# Altium PCB EMv2MainBoard.PcbDoc
Units mm, origin at the board's own origin, x right, y up, seen from the top; angles counter-clockwise.
Board outline 97.79 x 64.01 mm, 2 copper layers (Top Layer, Bottom Layer); 96 components, 87 nets, 487 pads, 95 vias.
Unrouted connection lines stored in the file: 2.
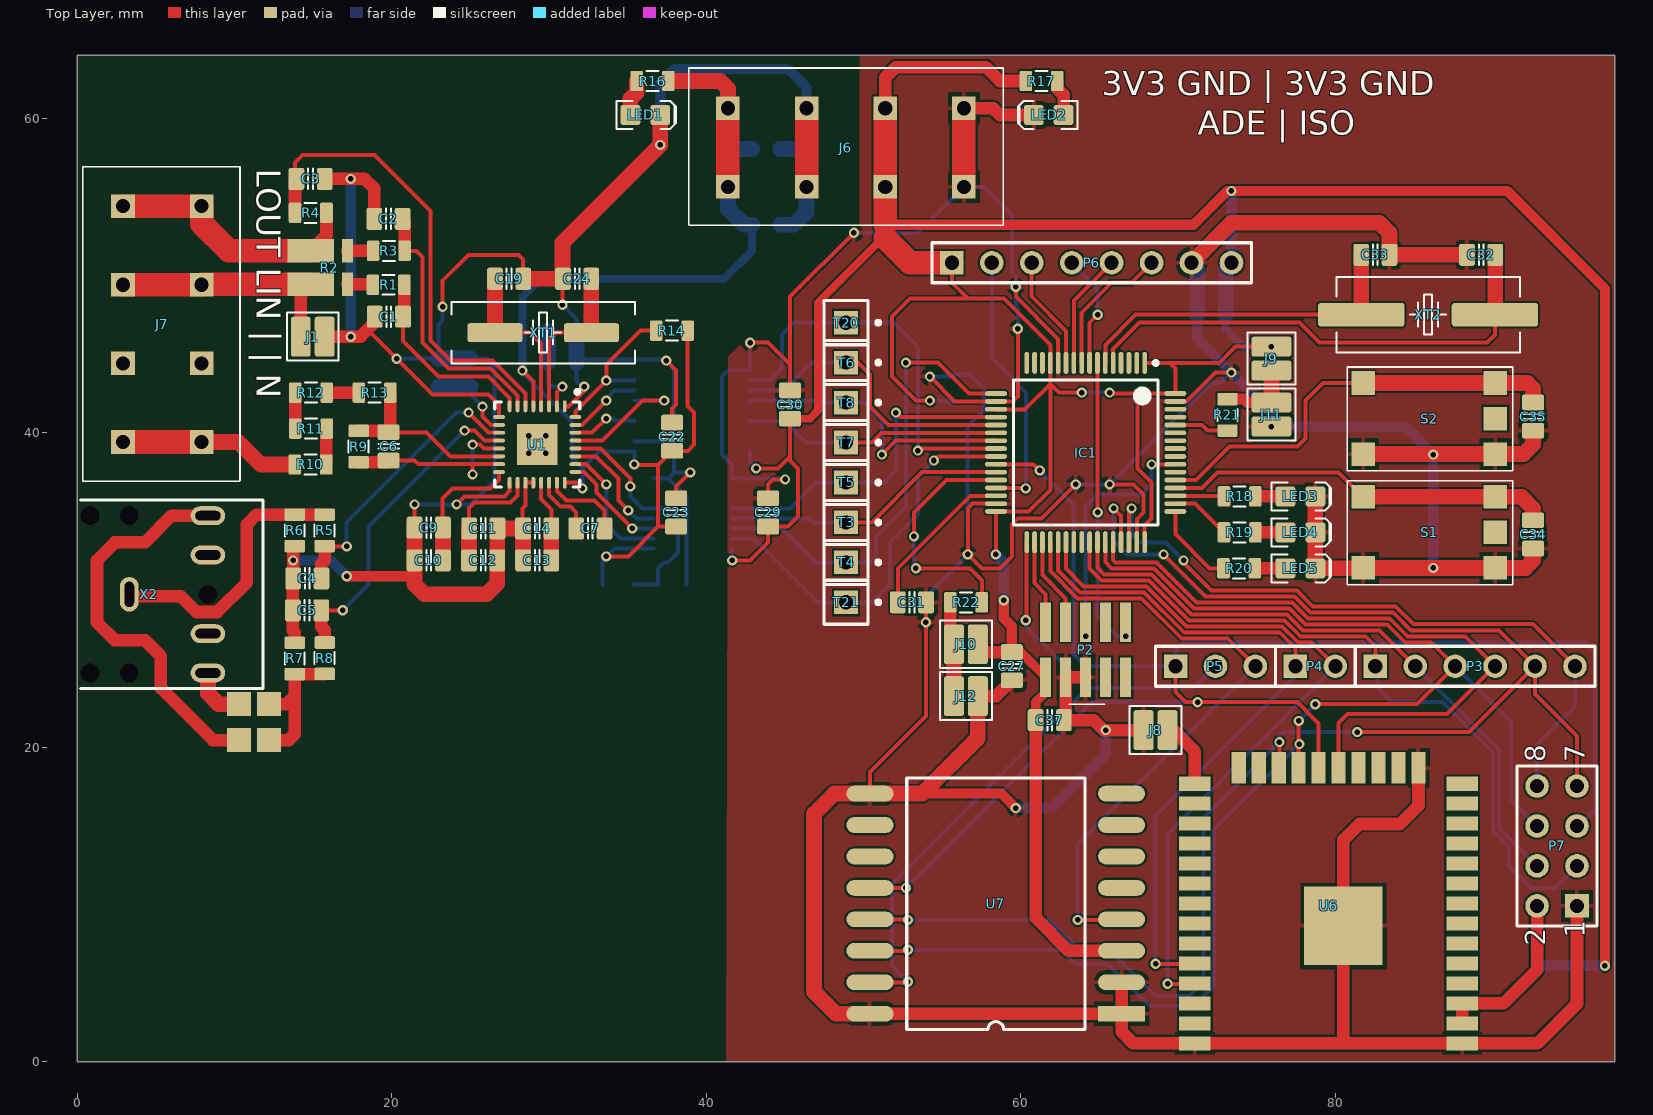
[diagram p0: Top Layer view]
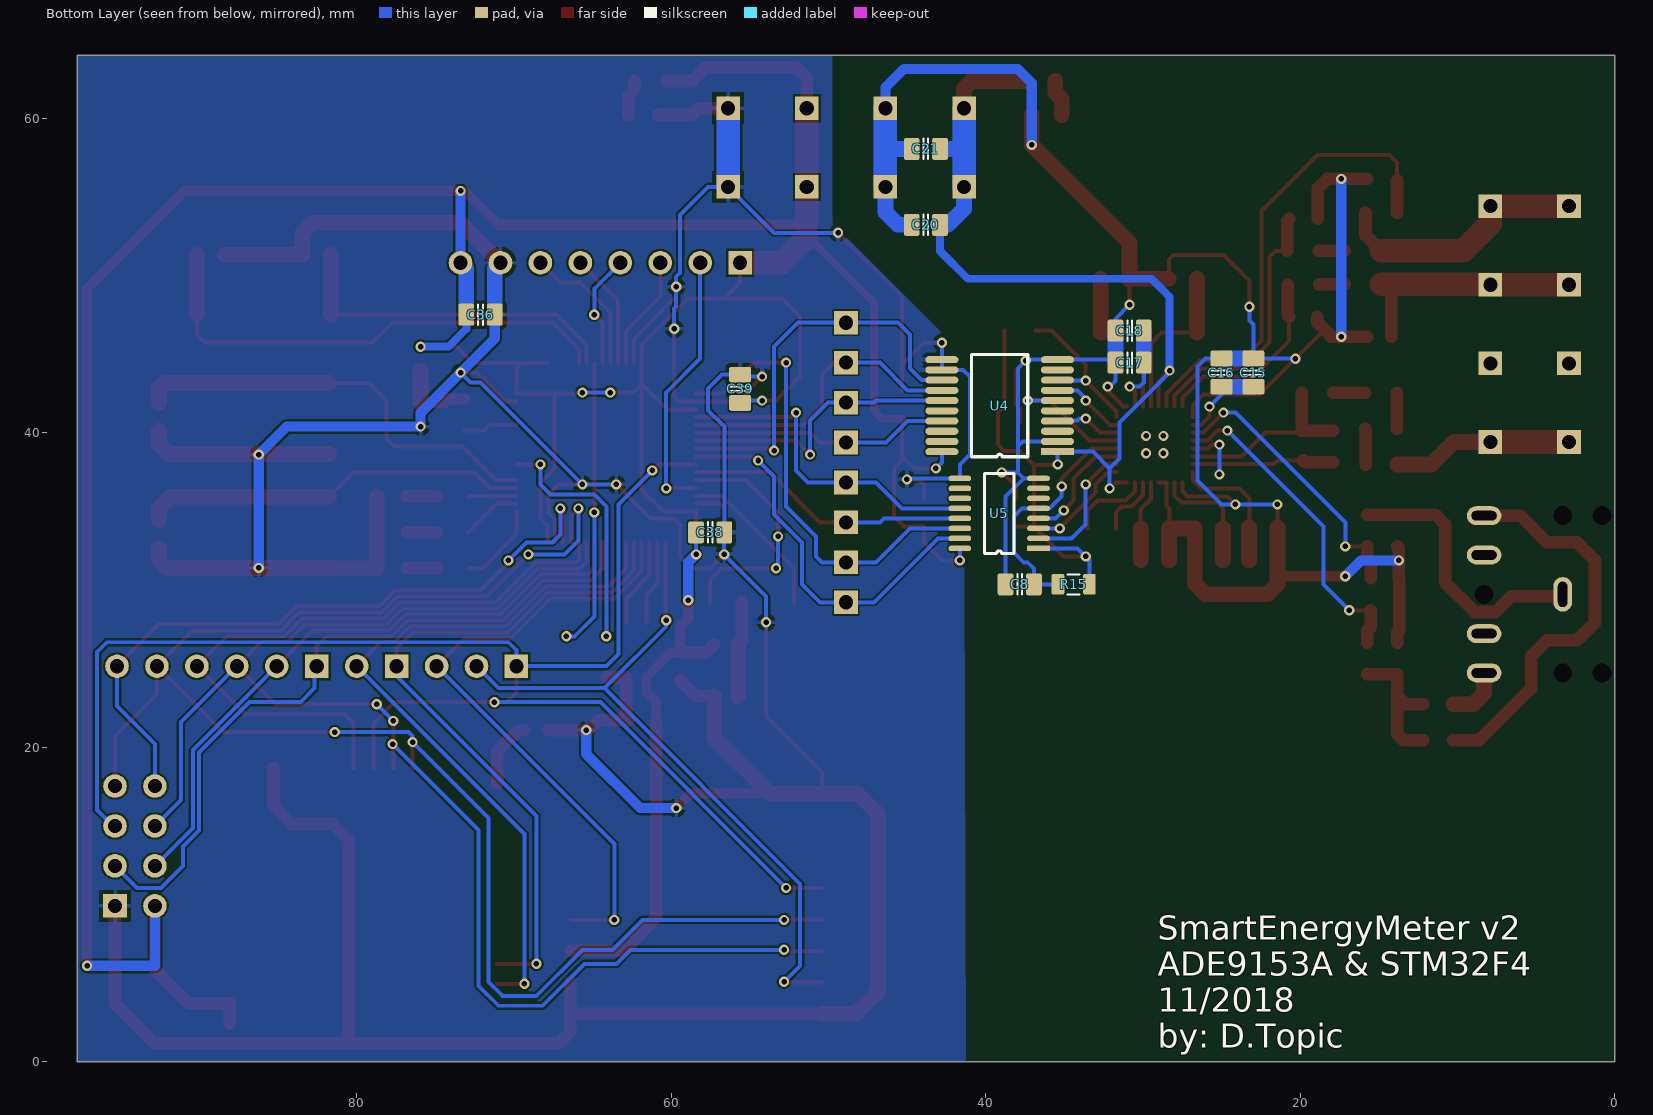
[diagram p1: Bottom Layer view, seen from below]
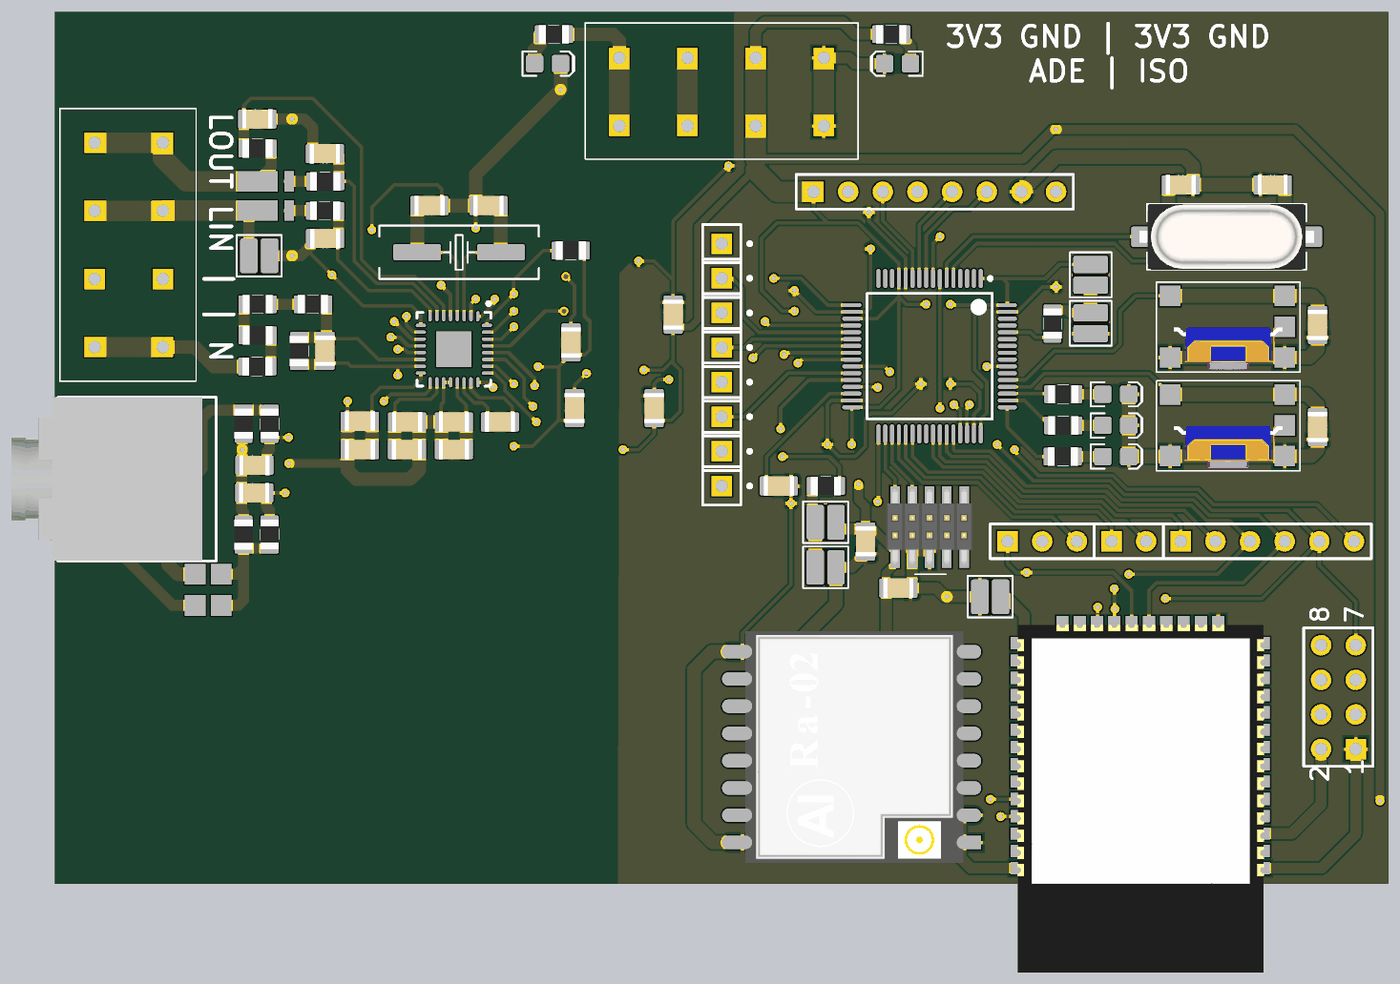
[diagram p2: 3D render of the assembled board from above, using the file's embedded part models]
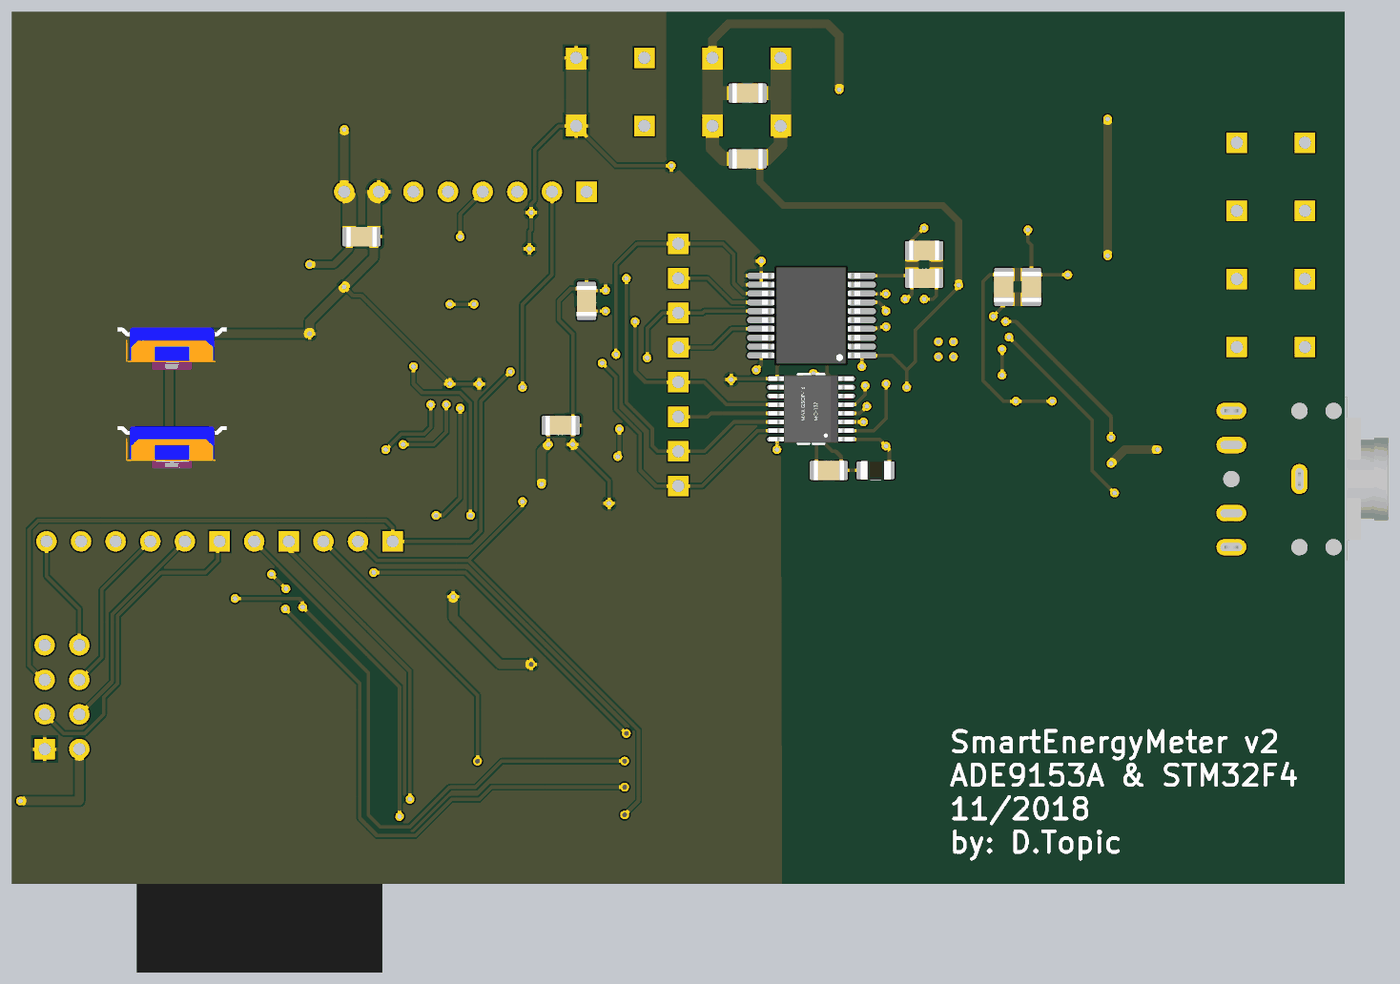
[diagram p3: 3D render of the assembled board from below, using the file's embedded part models]

## Layer stack, top to bottom
Top Solder: solder mask 0.0102, Solder Resist, Dk 3.5
Top Layer: signal copper 0.0356
Dielectric 1: dielectric 0.32, FR-4, Dk 4.8
Bottom Layer: signal copper 0.0356
Bottom Solder: solder mask 0.0102, Solder Resist, Dk 3.5

## Board outline
0,0 97.79,0 97.79,64.008 0,64.008

## Design rules (kind name [scope] priority, off if disabled: settings)
Clearance [All] p1: gap=0.127 ignorepadtopadclearanceinfootprint=FALSE
ComponentClearance [All] p1 off: gap=0.254 collisioncheckmode=3 verticalgap=0.254 showdistances=FALSE
Height [All] p1 off: minheight=0 maxheight=25.4 prefheight=12.7
PolygonConnect [All] p1: connectstyle=Relief reliefconductorwidth=0.254 reliefentries=4 polygonreliefangle="90 Angle" airgapwidth=0.254
RoutingVias [All] p1: holewidth=0.35 width=0.65 viastyle="Through Hole" minholewidth=0.35 minwidth=0.65 maxholewidth=0.711 maxwidth=1.27
SolderMaskExpansion [All] p1: expansion=0.102
Width [All] p1: maxlimit=2 minlimit=0.254 preferedwidth=0.254
28 further rules are at their usual default settings.

## Classes and differential pairs
component class Designator: C29 C30 C31 C32 C33 C34 C35 C36 C37 C38 C39 IC1 J8 J9 J10 J11 J12 LED3 LED4 LED5 P2 P3 P4 P5 P6 P7 R18 R19 R20 R21 R22 S1 S2 T3 T4 T5 T6 T7 T8 T20 T21 U6 U7 XT2
component class Isolation_Circuit: C27 J6 J7 LED1 LED2 R16 R17 U4 U5

## Components (designator, comment, footprint, x,y, rotation, side; value= is the part's Value field where it differs from the comment)
C1 "approved sub OK" CAPC2012X135N 19.823,47.371 r180 top value=100n
C2 "approved sub OK" CAPC2012X135N 19.801,53.594 r0 top value=100n
C3 "approved sub OK" CAPC2012X135N 14.848,56.134 r0 top value=100n
C4 "approved sub OK" CAPC2012X135N 14.639,30.734 r180 top value=100n
C5 "approved sub OK" CAPC2012X135N 14.628,28.702 r0 top value=100n
C6 "approved sub OK" CAPC2012X135N 19.812,39.127 r90 top value=15n
C7 "approved sub OK" CAPC2012X135N 32.639,33.909 r180 top value=47n
C8 "approved sub OK" CAPC2012X135N 37.846,30.353 r0 bottom value=1u
C9 "approved sub OK" CAPC2012X135N 22.363,33.96 r180 top value=4.7u
C10 "approved sub OK" CAPC2012X135N 22.363,31.877 r180 top value=100n
C11 "approved sub OK" CAPC2012X135N 25.832,33.909 r0 top value=4.7u
C12 "approved sub OK" CAPC2012X135N 25.821,31.877 r0 top value=100n
C13 "approved sub OK" CAPC2012X135N 29.261,31.877 r180 top value=470n
C14 "approved sub OK" CAPC2012X135N 29.261,33.909 r180 top value=100n
C15 "approved sub OK" CAPC2012X135N 22.987,43.815 r90 bottom value=4.7u
C16 "approved sub OK" CAPC2012X135N 25.019,43.815 r90 bottom value=100n
C17 "approved sub OK" CAPC2012X135N 30.861,44.45 r0 bottom value=4.7u
C18 "approved sub OK" CAPC2012X135N 30.861,46.482 r0 bottom value=100n
C19 "approved sub OK" CAPC2012X135N 27.472,49.784 r180 top value=20n
C20 "approved sub OK" CAPC2012X135N 43.815,53.213 r0 bottom value=4.7u
C21 "approved sub OK" CAPC2012X135N 43.815,58.039 r0 bottom value=100n
C22 "approved sub OK" CAPC2012X135N 37.846,39.74 r90 top value=4.7u
C23 "approved sub OK" CAPC2012X135N 38.1,34.925 r90 top value=100n
C24 "approved sub OK" CAPC2012X135N 31.801,49.784 r0 top value=20n
C27 "approved sub OK" CAPC2012X135N 59.436,25.146 r270 top value=100n
C29 "approved sub OK" CAPC2012X135N 43.942,34.925 r270 top value=10u
C30 "approved sub OK" CAPC2012X135N 45.339,41.783 r270 top value=100n
C31 "approved sub OK" CAPC2012X135N 53.086,29.21 r0 top value=4.7u
C32 "approved sub OK" CAPC2012X135N 89.281,51.308 r0 top value=27p
C33 "approved sub OK" CAPC2012X135N 82.55,51.308 r180 top value=27p
C34 "approved sub OK" CAPC2012X135N 92.583,33.528 r90 top value=100n
C35 "approved sub OK" CAPC2012X135N 92.583,41.021 r90 top value=100n
C36 "approved sub OK" CAPC2012X135N 72.136,47.498 r180 bottom value=100n
C37 "approved sub OK" CAPC2012X135N 61.849,21.717 r0 top value=100n
C38 "approved sub OK" CAPC2012X135N 57.531,33.655 r180 bottom value=100n
C39 "approved sub OK" CAPC2012X135N 55.626,42.788 r90 bottom value=100n
IC1 "STM32F410RBT6" STM32F410RBT6 64.135,38.735 r270 top
J1 "Jumper" JUMP1 14.986,46.101 r180 top
J6 "SPTAF 1/4-5-LL" "SPTAF 1/4-5-LL" 41.388,55.626 r90 top
J7 "SPTAF 1/4-5-LL" "SPTAF 1/4-5-LL" 7.921,39.403 r180 top
J8 "Jumper" JUMP1 68.58,21.082 r180 top
J9 "Jumper" JUMP1 75.946,44.704 r270 top
J10 "Jumper" JUMP1 56.515,26.543 r180 top
J11 "Jumper" JUMP1 75.946,41.148 r270 top
J12 "Jumper" JUMP1 56.515,23.241 r0 top
LED1 "Green" LED-0805-K 36.131,60.198 r0 top
LED2 "Green" LED-0805-K 61.785,60.198 r180 top
LED3 "Green" LED-0805-K 77.787,35.941 r0 top
LED4 "Green" LED-0805-K 77.787,33.655 r0 top
LED5 "Green" LED-0805-K 77.787,31.369 r0 top
P2 "SWD connector" "SWD connector" 61.595,24.45 r0 top
P3 "Header 6" HDR1X6 82.55,25.146 r0 top
P4 "Header 2" HDR1X2 77.47,25.146 r0 top
P5 "Header 3" HDR1X3 69.85,25.146 r0 top
P6 "LCD" HDR1X8 55.626,50.8 r0 top
P7 "NRF24L01" HDR2X4 95.377,9.906 r90 top
R1 "Thick Film" RESC2012X70N 19.812,49.403 r180 top value=100K
R2 "WSK1216" WSK1216 14.859,51.562 r270 top
R3 "Thick Film" RESC2012X70N 19.828,51.562 r180 top value=100K
R4 "Thick Film" RESC2012X70N 14.859,53.975 r0 top value=0R
R5 "Thick Film" RESC2012X70N 15.748,33.782 r90 top value=100K
R6 "Thick Film" RESC2012X70N 13.843,33.782 r270 top value=100K
R7 "Thick Film" RESC2012X70N 13.843,25.638 r270 top value=100K
R8 "Thick Film" RESC2012X70N 15.748,25.654 r270 top value=100K
R9 "Thick Film" RESC2012X70N 17.907,39.116 r90 top value=1K
R10 "Thick Film" RESC2012X70N 14.843,37.973 r180 top value=250K
R11 "Thick Film" RESC2012X70N 14.875,40.259 r0 top value=250K
R12 "Thick Film" RESC2012X70N 14.875,42.545 r180 top value=250K
R13 "Thick Film" RESC2012X70N 18.923,42.545 r180 top value=250K
R14 "Thick Film" RESC2012X70N 37.83,46.482 r180 top value=10K
R15 "Thick Film" RESC2012X70N 34.417,30.353 r0 bottom value=10K
R16 "Thick Film" RESC2012X70N 36.592,62.357 r180 top value=1K
R17 "Thick Film" RESC2012X70N 61.325,62.357 r0 top value=1K
R18 "Thick Film" RESC2012X70N 73.93,35.941 r0 top value=1K
R19 "Thick Film" RESC2012X70N 73.93,33.655 r0 top value=1K
R20 "Thick Film" RESC2012X70N 73.898,31.369 r0 top value=1K
R21 "Thick Film" RESC2012X70N 73.152,41.132 r270 top value=1K
R22 "Thick Film" RESC2012X70N 56.531,29.21 r0 top value=1K
S1 "SMD_BUTTON" SMD_BUTTON 85.979,33.655 r0 top
S2 "SMD_BUTTON" SMD_BUTTON 85.979,40.894 r0 top
T3 "Test Point" PIN1 48.895,34.29 r270 top
T4 "Test Point" PIN1 48.895,31.75 r270 top
T5 "Test Point" PIN1 48.895,36.83 r270 top
T6 "Test Point" PIN1 48.895,44.45 r270 top
T7 "Test Point" PIN1 48.895,39.37 r270 top
T8 "Test Point" PIN1 48.895,41.91 r270 top
T20 "Test Point" PIN1 48.895,46.99 r270 top
T21 "Test Point" PIN1 48.895,29.21 r270 top
U1 "ADE9153A" CP-32-12_L 29.261,39.243 r270 top
U4 "MAX14483" SSOP20 35.449,38.787 r0 bottom
U5 "SI8663BB-B-IU" QSOP16 36.656,32.639 r0 bottom
U6 "ESP32-WROOM-32U" ESP32-WROOM-32U 88.078,1.166 r180 top
U7 "Ra-02 LoRa" "Ra-02 LoRa" 66.419,3.049 r180 top
X2 "35RAPC4BHN2" "35RAPC _ _ HN2" 4.572,29.718 r0 top
XT1 "12.288 MHz" ABLS7M2 29.642,46.355 r180 top
XT2 "20.00MHz" CRYSTAL_HC49-US-SM 85.911,47.498 r0 top

## Footprints (in the part's own frame and the unit in brackets; to place one, negate y for a bottom-side part, rotate by r counter-clockwise, add the part's x,y. Pads: shape width x height; smd on the part's side, far side on the other; paste and mask are expansions set on the pad)
"35RAPC _ _ HN2" [mm] "Switchcraft 3.5mm audio jack"
  round 1 hole 1.2 unplated: 0(-3.75,-5) 0(-3.75,5) 0(-1.25,-5) 0(-1.25,5) 0(3.75,0)
  oval 1.2x2.2 hole 0.6 slot 1.6 at 90 deg: 1(-1.25,0)
  oval 2.2x1.2 hole 0.6 slot 1.6 at 0 deg: 2(3.75,-5) 3(3.75,5) 10(3.75,-2.5) 11(3.75,2.5)
  silkscreen extent -4.35,-6 7.25,6, body extent -7.75,-6 6.25,6, height 5.7
ABLS7M2 [mm] "SMD Crystal HC49/US-SM package"
  round 0.508 on Mech15: 0(0,0)
  rrect25% 3.5x1.2 smd: 1(-3.07,0) 2(3.07,0)
  silkscreen extent -5.84,-1.96 5.84,1.96
CAPC2012X135N [mm] "Chip Capacitor, Body 2.0x1.2mm, EIA 0805, IPC Medium Density"
  round 0.254 on Mech15: 0(0,0)
  rrect25% 1x1.4 smd: 1(-0.9,0) 2(0.9,0)
  Top Layer pour cut-out: -0.675,0.7 -0.475,0.9 0.475,0.9 0.675,0.7 0.675,-0.7 0.475,-0.9 -0.475,-0.9 -0.675,-0.7
  silkscreen extent -0.15,-0.65 0.15,0.65, body extent -1.1,-0.72 1.1,0.73, height 1.34
CP-32-12_L [mm] "QFN, 32-Leads, Body 5x5mm, Pitch 0.5mm, Thermal Pad 2.6x2.6mm, IPC High Density"
  oval 0.75x0.25 smd: 1(-2.425,1.75) 2(-2.425,1.25) 3(-2.425,0.75) 4(-2.425,0.25) 5(-2.425,-0.25) 6(-2.425,-0.75) 7(-2.425,-1.25) 8(-2.425,-1.75) 17(2.425,-1.75) 18(2.425,-1.25) 19(2.425,-0.75) 20(2.425,-0.25) 21(2.425,0.25) 22(2.425,0.75) 23(2.425,1.25) 24(2.425,1.75)
  oval 0.25x0.75 smd: 9(-1.75,-2.425) 10(-1.25,-2.425) 11(-0.75,-2.425) 12(-0.25,-2.425) 13(0.25,-2.425) 14(0.75,-2.425) 15(1.25,-2.425) 16(1.75,-2.425) 25(1.75,2.425) 26(1.25,2.425) 27(0.75,2.425) 28(0.25,2.425) 29(-0.25,2.425) 30(-0.75,2.425) 31(-1.25,2.425) 32(-1.75,2.425)
  rect 2.6x2.6 smd: 33(0,0)
  silkscreen extent -3.47,-2.7 2.7,2.7, body extent -2.55,-2.55 2.55,2.55, height 0.8
CRYSTAL_HC49-US-SM [mm] "SMD Crystal HC49/US-SM package"
  round 0.508 on Mech15: 0(0,0)
  rrect25% 5.5x1.5 smd: 1(-4.25,0) 2(4.25,0)
  silkscreen extent -5.84,-2.41 5.84,2.41, body extent -6.4,-2.41 6.4,2.42, height 4.29
ESP32-WROOM-32U [mm]
  rect 2x0.9 smd: 1(0,0) 2(0,-1.27) 3(0,-2.54) 4(0,-3.81) 5(0,-5.08) 6(0,-6.35) 7(0,-7.62) 8(0,-8.89) 9(0,-10.16) 10(0,-11.43) 11(0,-12.7) 12(0,-13.97) 13(0,-15.24) 14(0,-16.51) 25(17,-16.51) 26(17,-15.24) 27(17,-13.97) 28(17,-12.7) 29(17,-11.43) 30(17,-10.16) 31(17,-8.89) 32(17,-7.62) 33(17,-6.35) 34(17,-5.08) 35(17,-3.81) 36(17,-2.54) 37(17,-1.27) 38(17,0)
  rect 0.9x2 smd: 15(2.78,-17.51) 16(4.05,-17.51) 17(5.32,-17.51) 18(6.59,-17.51) 19(7.86,-17.51) 20(9.13,-17.51) 21(10.4,-17.51) 22(11.67,-17.51) 23(12.94,-17.51) 24(14.21,-17.51)
  rect 5x5 smd: 38(7.56,-7.47)
  body extent -0.57,-17.89 17.51,7.65, height 3
HDR1X2 [mm] "Connector; Header; 2 Position"
  rect 1.5x1.5 hole 0.9: 1(0,0)
  round 1.5 hole 0.9: 2(2.54,0)
  silkscreen extent -1.27,-1.27 3.81,1.27
HDR1X3 [mm] "Connector; Header; 3 Position"
  rect 1.5x1.5 hole 0.9: 1(0,0)
  round 1.5 hole 0.9: 2(2.54,0) 3(5.08,0)
  silkscreen extent -1.27,-1.27 6.35,1.27
HDR1X6 [mm] "Connector; Header; 6 Position"
  rect 1.5x1.5 hole 0.9: 1(0,0)
  round 1.5 hole 0.9: 2(2.54,0) 3(5.08,0) 4(7.62,0) 5(10.16,0) 6(12.7,0)
  silkscreen extent -1.27,-1.27 13.97,1.27
HDR1X8 [mm] "Connector; Header; 8 Position"
  rect 1.5x1.5 hole 0.9: 1(0,0)
  round 1.5 hole 0.9: 2(2.54,0) 3(5.08,0) 4(7.62,0) 5(10.16,0) 6(12.7,0) 7(15.24,0) 8(17.78,0)
  silkscreen extent -1.27,-1.27 19.05,1.27
HDR2X4 [mm] "Connector; Header; 4x2 Position"
  rect 1.5x1.5 hole 0.9: 1(0,0)
  round 1.5 hole 0.9: 2(0,2.54) 3(2.54,0) 4(2.54,2.54) 5(5.08,0) 6(5.08,2.54) 7(7.62,0) 8(7.62,2.54)
  silkscreen extent -1.27,-1.27 8.89,3.81
JUMP1 [mil] "SMT Battery jumper pads"
  rrect25% 50x100 smd: 1(-30,0) 2(30,0)
  rrect25% 118x108 on Top Solder: SM(0,0)
  silkscreen extent -65,-60 65,60
LED-0805-K [mil]
  round 20 on Mech15: 0(0,0)
  rrect25% 50x50 smd: A(-37.5,0) K(37.5,0)
  Top Layer pour cut-out: -15,30 15,30 15,-30 -15,-30
  silkscreen extent -72,-35 77,35, body extent -39,-25 39,25, height 31
PIN1 [mm] "Generic Antenna; 1 Lead"
  rect 1.5x1.5 hole 0.9: 1(0,0)
  silkscreen extent -1.4,-1.4 1.4,2.18
QSOP16 [mm]
  rect 1.45x0.35 smd: 1(0,0)
  oval 1.45x0.35 smd: 2(0,-0.635) 3(0,-1.27) 4(0,-1.905) 5(0,-2.54) 6(0,-3.175) 7(0,-3.81) 8(0,-4.445) 9(5,-4.445) 10(5,-3.81) 11(5,-3.175) 12(5,-2.54) 13(5,-1.905) 14(5,-1.27) 15(5,-0.635) 16(5,0)
  silkscreen extent 1.56,-4.76 3.44,0.32, body extent -0.59,-4.71 5.61,0.27, height 1.75
"Ra-02 LoRa" [mm]
  rect 3x1 smd: 1(0,0)
  oval 3x1 smd: 2(0,-2) 3(0,-4) 4(0,-6) 5(0,-8) 6(0,-10) 7(0,-12) 8(0,-14) 9(16,-14) 10(16,-12) 11(16,-10) 12(16,-8) 13(16,-6) 14(16,-4) 15(16,-2) 16(16,0)
  silkscreen extent 2.33,-15 13.67,1, body extent -0.21,-15.51 15.79,1.49, height 3.2
RESC2012X70N [mm] "Chip Resistor, Body 2.0x1.2mm, EIA 0805, IPC Medium Density"
  round 0.254 on Mech15: 0(0,0)
  rrect25% 0.8x1.3 smd: 1(-1,0) 2(1,0)
  Top Layer pour cut-out: -0.725,0.65 -0.525,0.85 0.525,0.85 0.725,0.65 0.725,-0.65 0.525,-0.85 -0.525,-0.85 -0.725,-0.65
  silkscreen extent -0.38,-0.64 0.38,0.64, body extent -1.1,-0.67 1.1,0.68, height 0.69
SMD_BUTTON [mm]
  rect 1.5x1.5 smd: 1(-4.204,2.261) 1(4.204,2.261) 2(-4.204,-2.261) 2(4.204,-2.261) 5(4.204,0)
  silkscreen extent -5.22,-3.33 5.32,3.28, body extent -3.95,-3.3 4.05,3.2, height 3.1
"SPTAF 1/4-5-LL" [mm]
  rect 1.5x1.5 hole 0.9: 1(0,0) 1(5,0) 2(0,-5) 2(5,-5) 3(0,-10) 3(5,-10) 4(0,-15) 4(5,-15)
  silkscreen extent -2.44,-17.5 7.56,2.5
SSOP20 [mm]
  rect 2.1x0.45 smd: 1(0,0)
  oval 2.1x0.45 smd: 2(0,-0.65) 3(0,-1.3) 4(0,-1.95) 5(0,-2.6) 6(0,-3.25) 7(0,-3.9) 8(0,-4.55) 9(0,-5.2) 10(0,-5.85) 11(7.35,-5.85) 12(7.35,-5.2) 13(7.35,-4.55) 14(7.35,-3.9) 15(7.35,-3.25) 16(7.35,-2.6) 17(7.35,-1.95) 18(7.35,-1.3) 19(7.35,-0.65) 20(7.35,0)
  silkscreen extent 1.89,-6.18 5.47,0.33, body extent -0.25,-6.6 7.65,0.73, height 3
STM32F410RBT6 [mm] "TSQFP, 64-Leads, Body 10.00x10.00mm, Pitch 0.50mm, IPC Medium Density"
  oval 1.4x0.3 smd: 1(-5.7,3.75) 2(-5.7,3.25) 3(-5.7,2.75) 4(-5.7,2.25) 5(-5.7,1.75) 6(-5.7,1.25) 7(-5.7,0.75) 8(-5.7,0.25) 9(-5.7,-0.25) 10(-5.7,-0.75) 11(-5.7,-1.25) 12(-5.7,-1.75) 13(-5.7,-2.25) 14(-5.7,-2.75) 15(-5.7,-3.25) 16(-5.7,-3.75) 33(5.7,-3.75) 34(5.7,-3.25) 35(5.7,-2.75) 36(5.7,-2.25) 37(5.7,-1.75) 38(5.7,-1.25) 39(5.7,-0.75) 40(5.7,-0.25) 41(5.7,0.25) 42(5.7,0.75) 43(5.7,1.25) 44(5.7,1.75) 45(5.7,2.25) 46(5.7,2.75) 47(5.7,3.25) 48(5.7,3.75)
  oval 0.3x1.4 smd: 17(-3.75,-5.7) 18(-3.25,-5.7) 19(-2.75,-5.7) 20(-2.25,-5.7) 21(-1.75,-5.7) 22(-1.25,-5.7) 23(-0.75,-5.7) 24(-0.25,-5.7) 25(0.25,-5.7) 26(0.75,-5.7) 27(1.25,-5.7) 28(1.75,-5.7) 29(2.25,-5.7) 30(2.75,-5.7) 31(3.25,-5.7) 32(3.75,-5.7) 49(3.75,5.7) 50(3.25,5.7) 51(2.75,5.7) 52(2.25,5.7) 53(1.75,5.7) 54(1.25,5.7) 55(0.75,5.7) 56(0.25,5.7) 57(-0.25,5.7) 58(-0.75,5.7) 59(-1.25,5.7) 60(-1.75,5.7) 61(-2.25,5.7) 62(-2.75,5.7) 63(-3.25,5.7) 64(-3.75,5.7)
  silkscreen extent -5.82,-4.6 4.6,4.6, body extent -5,-5 5,5, height 1.6
"SWD connector" [mm]
  rect 0.7x2.5 smd: 1(0,0) 2(0,3.49) 3(1.27,0) 4(1.27,3.49) 5(2.54,0) 6(2.54,3.49) 7(3.81,0) 8(3.81,3.49) 9(5.08,0) 10(5.08,3.49)
  silkscreen extent 1.46,-1.73 3.75,-1.73, body extent -0.64,-0.98 5.71,4.52, height 4.6
WSK1216 [mm] "Power Metal Strip Resistors, Low Value,  High Power, Surface-Mount, 4-Terminal"
  rect 1.495x2.95 smd: 1(0,0) 2(2.14,0)
  rect 1.495x0.7 smd: 3(-0.01,2.33) 4(2.14,2.33)
